# Altium PCB Arduino_UNO_Rev3_PCB.PcbDoc
Units mm, origin at the board's own origin, x right, y up, seen from the top; angles counter-clockwise.
Board outline 68.58 x 53.34 mm, 2 copper layers (L1, L2), stack 1.671 mm thick; 106 components, 71 nets, 323 pads, 96 vias.
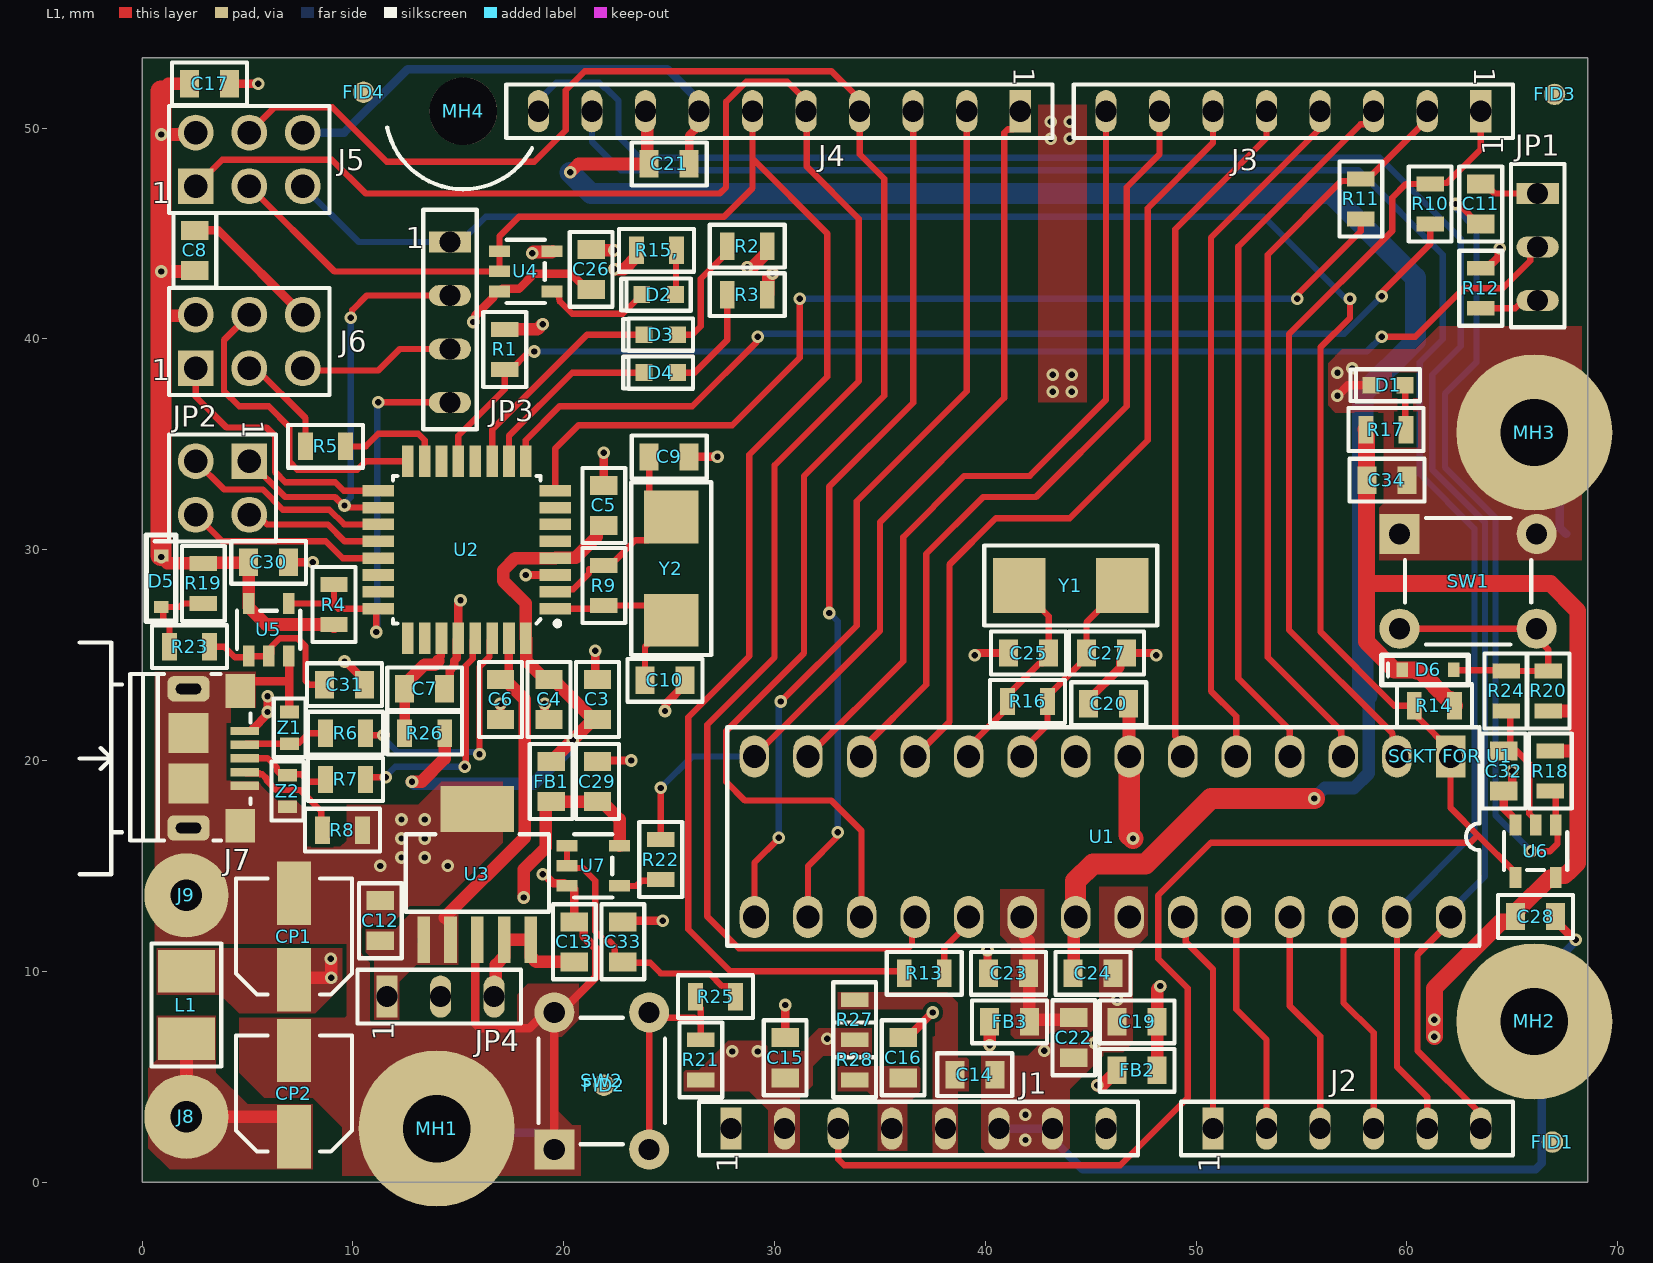
[diagram p0: L1 view]
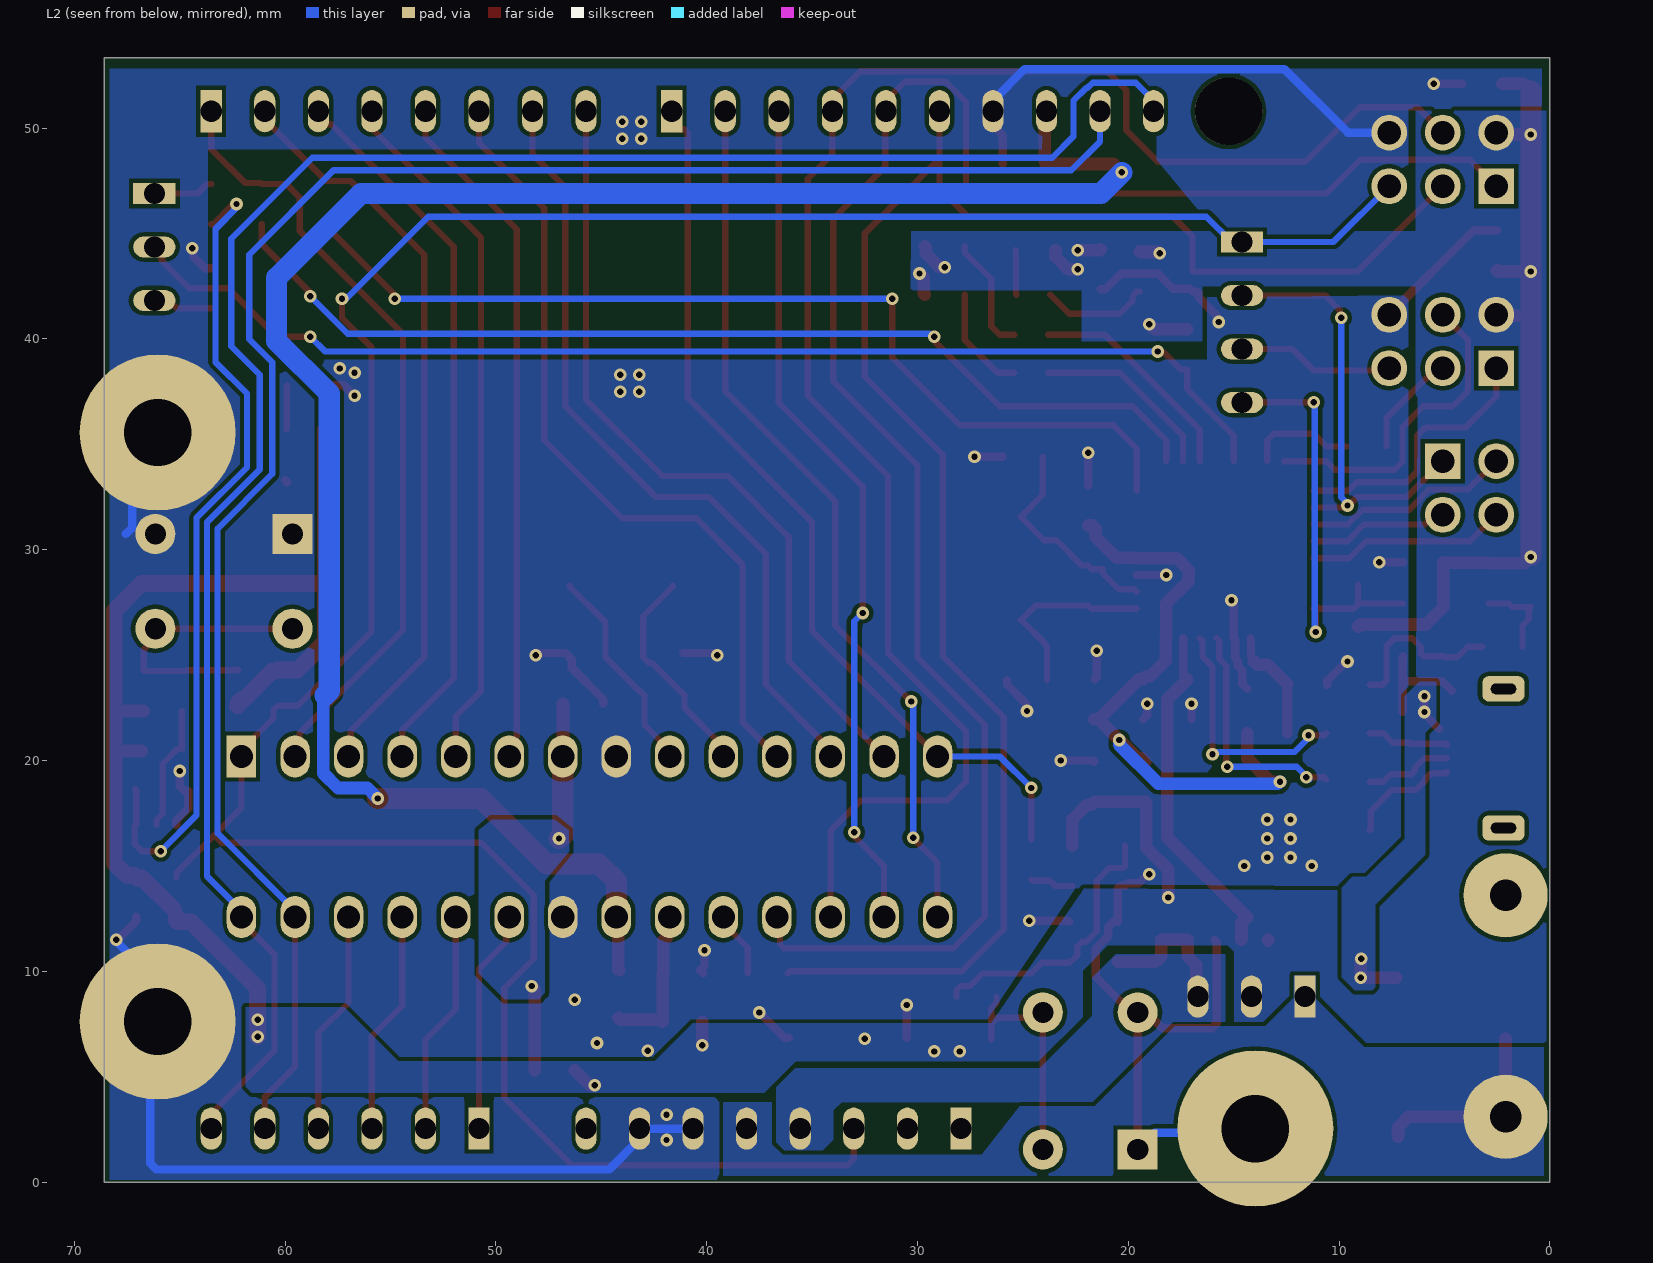
[diagram p1: L2 view, seen from below]

## Layer stack, top to bottom
Top Solder: solder mask 0.0102, Solder Resist, Dk 3.5
L1: signal copper 0.0356
Dielectric 1: dielectric 1.6, FR-4, Dk 4.8
L2: signal copper 0.0356
Bottom Solder: solder mask 0.0102, Solder Resist, Dk 3.5

## Board outline
0,0 68.58,0 68.58,53.34 0,53.34

## Design rules (kind name [scope] priority, off if disabled: settings)
Clearance poly [IsRegion] p1: gap=0.2 ignorepadtopadclearanceinfootprint=FALSE
Clearance [All] p2: gap=0.2 ignorepadtopadclearanceinfootprint=FALSE
ComponentClearance "SW2 to FID1" [InComponent('FID2') vs InComponent('SW2')] p1: gap=0 collisioncheckmode=3 verticalgap=0 showdistances=FALSE
ComponentClearance PowerRessistors [InComponent('R27') vs InComponent('R28')] p2: gap=0 collisioncheckmode=3 verticalgap=0 showdistances=FALSE
ComponentClearance "MH4 to FID4 and J4" [InComponent('MH4') vs InComponent('FID4')or InComponent('J4')] p3: gap=0 collisioncheckmode=3 verticalgap=0 showdistances=FALSE
ComponentClearance "DIP SOCKET to MH2 and U1" [InComponent('SCKT FOR U1') vs InComponent('MH2') or InComponent('U1')] p4: gap=0 collisioncheckmode=3 verticalgap=0 showdistances=FALSE
ComponentClearance "MH2 to J2" [InComponent('MH2') vs InComponent('J2')] p5: gap=0 collisioncheckmode=3 verticalgap=0 showdistances=FALSE
ComponentClearance [All] p6: gap=0.2 collisioncheckmode=3 verticalgap=0.2 showdistances=FALSE
HoleSize [All] p1: absolutevalues=TRUE maxlimit=10 minlimit=0.2 maxpercent=80.000 minpercent=20.000
HoleToHoleClearance [All] p1: gap=0.3 allowstackedmicrovias=TRUE
MinimumSolderMaskSliver [All] p1: minsoldermaskwidth=0.1
PolygonConnect [All] p1: connectstyle=Direct reliefconductorwidth=0.254 reliefentries=4 polygonreliefangle="90 Angle" airgapwidth=0.254
RoutingVias [All] p1: holewidth=0.3 width=0.6 viastyle="Through Hole" minholewidth=0.3 minwidth=0.6 maxholewidth=0.3 maxwidth=0.6
SilkToSilkClearance [All] p1: silktosilkclearance=0.1
SilkToSolderMaskClearance [IsPad] p1: minsilkscreentomaskgap=0.1 clearancetoexposedcopper=TRUE
SolderMaskExpansion [All] p1: expansion=0.1 istentingtop=FALSE
Width WidthPWR [InNet('+3V3')   or InNet('GND')or InNet('+3V3_16U2_UCAP')or InNet('+5V')or InNet('+5V/3V3') or InNet('+5V/3V3_16U2')or InNet('+5V/3V3_328P_AVCC')or InNet('+5V/3V3_328P_VCC')or InNet('+5V_USB') or InNet('+AREF')] p1: maxlimit=4 minlimit=0.4 preferedwidth=0.4
Width Width_1 [All] p2: maxlimit=0.3 minlimit=0.3 preferedwidth=0.3
24 further rules are at their usual default settings.

## Components (designator, comment, footprint, x,y, rotation, side; value= is the part's Value field where it differs from the comment)
C3 "10UF" "C_0805 - DUPLICATE" 21.6,22.9 r270 top
C4 "100n" C_0805 19.3,22.9 r90 top
C5 "100n" C_0805 21.9,32.1 r270 top
C6 "100n" C_0805 17,22.9 r270 top
C7 "1uF" "C_0805 - DUPLICATE" 13.4,23.4 r180 top
C8 "100n" C_0805 2.5,44.2 r270 top
C9 "18p" C_0805 25,34.4 r180 top
C10 "18p" C_0805 24.8,23.8 r180 top
C11 "100n" C_0805 63.5,46.4 r90 top
C12 "10UF" "C_0805 - DUPLICATE" 11.3,12.4 r270 top
C13 "10UF" "C_0805 - DUPLICATE" 20.5,11.4 r270 top
C14 "100n" C_0805 39.5,5.1 r180 top
C15 "100n" C_0805 30.5,5.9 r270 top
C16 "100n" C_0805 36.1,5.9 r270 top
C17 "100n" C_0805 3.2,52.1 r180 top
C19 "10UF" "C_0805 - DUPLICATE" 47.2,7.6 r0 top
C20 "100n" C_0805 45.85,22.7 r0 top
C21 "10UF" "C_0805 - DUPLICATE" 25,48.3 r180 top
C22 "10UF" "C_0805 - DUPLICATE" 44.2,6.85 r90 top
C23 "100n" C_0805 41.1,9.9 r0 top
C24 "100n" C_0805 45.1,9.9 r180 top
C25 "18p" C_0805 42.05,25.1 r0 top
C26 "100n" C_0805 21.3,43.3 r90 top
C27 "18p" C_0805 45.75,25.1 r180 top
C28 "100n" C_0805 66.1,12.6 r180 top
C29 "100n" C_0805 21.6,19 r270 top
C30 "100n" C_0805 6,29.4 r180 top
C31 "100n" C_0805 9.6,23.6 r180 top
C32 "100n" C_0805 64.6,19.5 r90 top
C33 "100n" C_0805 22.8,11.4 r270 top
C34 "10UF" "C_0805 - DUPLICATE" 59.05,33.3 r180 top
CP1 "100uF /10V" C_ALU_C_SIZE 7.2,11.65 r90 top
CP2 "100uF /10V" C_ALU_C_SIZE 7.2,4.2 r90 top
D1 "LED GREEN" LED_0603 59.1,37.8 r0 top
D2 "LED ORANGE" LED_0603 24.5,42.1 r0 top
D3 "LED ORANGE" LED_0603 24.6,40.2 r0 top
D4 "LED ORANGE" LED_0603 24.6,38.4 r0 top
D5 "BAT54" SOD323 0.9,28.5 r270 top
D6 "BAT54" SOD323 61,24.3 r0 top
FB1 "445-2206-1-ND" C_0805 19.4,19 r90 top
FB2 "445-2206-1-ND" C_0805 47.2,5.3 r0 top
FB3 "445-2206-1-ND" C_0805 41.15,7.6 r0 top
FID1 "FID_1MMC" FID_40X120D 66.9,1.9 r90 top
FID2 "FID_1MMC" FID_40X120D 21.9,4.6 r180 top
FID3 "FID_1MMC" FID_40X120D 67,51.6 r180 top
FID4 "FID_1MMC" FID_40X120D 10.5,51.7 r180 top
J1 "HDR_Female_1x8_2.54mm" HDR_FEMALE_1X8_2.54MM 27.94,2.54 r90 top locked
J2 "HDR_Female_1x6_2.54mm" HDR_FEMALE_1X6_2.54MM 50.8,2.54 r90 top locked
J3 "HDR_Female_1x8_2.54mm" HDR_FEMALE_1X8_2.54MM 63.5,50.8 r270 top locked
J4 "HDR_Female_1x10_2.54mm" HDR_FEMALE_1X10_2.54MM 41.656,50.8 r270 top locked
J5 "HDR_Male_2x3_2.54mm" HDR_2X3_2.54MM 2.54,47.244 r90 top
J6 "HDR_Male_2x3_2.54mm" HDR_2X3_2.54MM 2.54,38.608 r90 top locked
J7 "10118193-0001LF" 10118193 3.537,20.1 r270 top locked
J8 "4mm X 1.5mm" PAD_WITH_HOLE_4MMX1.5MM 2.1,3.1 r0 top
J9 "4mm X 1.5mm" PAD_WITH_HOLE_4MMX1.5MM 2.1,13.6 r0 top
JP1 "HDR_Male_1x3_2.54mm" HDR_MALE_1X3_2.54MM 66.2,46.9 r0 top locked
JP2 "HDR_Male_2x2_2.54mm" HDR_2X2_2.54MM 5.08,34.2 r270 top locked
JP3 "HDR_Male_1x4_2.54mm" HDR_MALE_1X4_2.54MM 14.6,44.6 r0 top locked
JP4 "HDR_Male_1x3_2.54mm" HDR_MALE_1X3_2.54MM 11.62,8.8 r90 top locked
L1 "2u2/2A" C1210_IND 2.1,8.4 r270 top
MH1 "MH_7.4MMC_3.2MMD" MH_7.4MMC_3.2MMD 13.97,2.54 r0 top locked
MH2 "MH_7.4MMC_3.2MMD" MH_7.4MMC_3.2MMD 66.04,7.62 r0 top locked
MH3 "MH_7.4MMC_3.2MMD" MH_7.4MMC_3.2MMD 66.04,35.56 r0 top locked
MH4 "MH_7.4MMC_3.2MMD_ non_plated" "MH_7.4MMC_3.2MMD_ NO_COPPER_NON_PLATED" 15.24,50.8 r0 top locked
R1 "100k Ohm" R_0805 17.2,39.5 r90 top
R2 "560R" R_0805 28.7,44.4 r0 top
R3 "560R" R_0805 28.7,42.1 r0 top
R4 "10k Ohm" R_0805 9.1,27.4 r270 top
R5 "22R" R_0805 8.7,34.9 r180 top
R6 "22R" R_0805 9.65,21.3 r0 top
R7 "22R" R_0805 9.65,19.1 r0 top
R8 "0 Ohm" R_0805 9.5,16.7 r0 top
R9 "1M Ohm" R_0805 21.9,28.3 r90 top
R10 "1k Ohm" R_0805 61.1,46.4 r90 top
R11 "1k Ohm" R_0805 57.813,46.638 r90 top
R12 "1k Ohm" R_0805 63.5,42.4 r270 top
R13 "22R" R_0805 37.1,9.9 r180 top
R14 "10k Ohm" R_0805 61.3,22.6 r0 top
R15, "560R" R_0805 24.4,44.2 r180 top
R16 "1M Ohm" R_0805 42,22.8 r180 top
R17 "560R" R_0805 59,35.7 r180 top
R18 "10k Ohm" R_0805 66.8,19.5 r90 top
R19 "10k Ohm" R_0805 2.9,28.4 r90 top
R20 "10k Ohm" R_0805 66.7,23.3 r270 top
R21 "10k Ohm" R_0805 26.5,5.8 r270 top
R22 "560R" R_0805 24.6,15.3 r90 top
R23 "22R" R_0805 2.25,25.4 r0 top
R24 "22R" R_0805 64.7,23.3 r270 top
R25 "22R" R_0805 27.2,8.8 r0 top
R26 "0 Ohm" R_0805 13.4,21.3 r0 top
R27 "0 Ohm" R_0805 33.8,7.7 r270 top
R28 "0 Ohm" R_0805 33.8,5.8 r270 top
"SCKT FOR U1" "28_DIP_Socket" 28_DIP_7.62MM_SOCKET 62.065,20.193 r270 top locked
SW1 "Push Button" 1825910-6 62.9,28.5 r90 top
SW2 "Push Button" 1825910-6 21.8,4.8 r180 top
U1 "ATMEGA328P-PU" MY_DIP28 62.065,20.193 r270 top locked
U2 "ATMEGA16U2-AU-ND" MY_TQFP32 15.4,30 r180 top locked
U3 "TL1963A-33DCQR" "DCQ (R-PDSO-G6)" 15.9,14.6 r90 top
U4 "296-29202-1-ND" DBV_SOT_23_5 18.2,43.2 r0 top
U5 "296-29202-1-ND" DBV_SOT_23_5 6,26.2 r90 top
U6 "296-29202-1-ND" DBV_SOT_23_5 66.1,15.7 r270 top
U7 "296-29202-1-ND" DBV_SOT_23_5 21.4,15 r0 top
Y1 "ABM7-16.000MHZ-D2Y-T" ABM7_V1_1_BIG 44.05,28.3 r180 top
Y2 "ABM7-16.000MHZ-D2Y-T" ABM7_V1_1_BIG 25.1,29.1 r270 top
Z1 "CG0603MLC-05E" R_0603 7,21.55 r270 top
Z2 "CG0603MLC-05E" R_0603 6.9,18.55 r90 top

## Footprints (in the part's own frame and the unit in brackets; to place one, negate y for a bottom-side part, rotate by r counter-clockwise, add the part's x,y. Pads: shape width x height; smd on the part's side, far side on the other; paste and mask are expansions set on the pad)
28_DIP_7.62MM_SOCKET [mm]
  body extent -1.24,-34.26 8.86,1.24, height 4.2
1825910-6 [mm]
  rect 1.9x1.9 hole 1: 1(2.25,3.25)
  round 1.9 hole 1: 2(2.25,-3.25) 3(-2.25,3.25) 4(-2.25,-3.25)
  silkscreen extent -3,-3 3,3, body extent -3,-3.9 3,3.9, height 5
10118193 [mm]
  rect 0.4x1.35 smd mask+0.05: 1(-1.3,1.338) 2(-0.65,1.338) 3(0,1.338) 4(0.65,1.338) 5(1.3,1.338)
  rect 1.6x1.4 smd: 6(-3.2,1.112)
  rect 1.6x1.4 smd mask+0.05: 7(3.2,1.112)
  rrect50% 1.2x2 hole 0.5 slot 1.2 at 90 deg: 8(-3.3,-1.338) 9(3.3,-1.338)
  rect 1.9x1.9 smd: 10(-1.2,-1.338) 11(1.2,-1.338)
  silkscreen extent -5.5,-6.5 5.5,1.6, body extent -3.93,-4.07 3.93,1.59, height 2.81
ABM7_V1_1_BIG [mm]
  rect 2.5x2.6 smd: 1(-2.45,0) 2(2.45,0)
  silkscreen extent -4.1,-1.9 4.1,1.9, body extent -3,-1.75 3,1.75, height 1.41
C1210_IND [mm]
  rect 2x2.7 smd: 1(-1.6,0) 2(1.6,0)
  silkscreen extent -2.92,-1.65 2.92,1.65, body extent -1.6,-1.25 1.7,1.25, height 2.7
C_0805 [mm]
  rect 0.9x1.3 smd: 1(-0.95,0) 2(0.95,0)
  silkscreen extent -1.78,-1.02 1.78,1.02, body extent -1,-0.6 1,0.6, height 0.89
"C_0805 - DUPLICATE" [mm]
  rect 0.9x1.3 smd: 1(-0.95,0) 2(0.95,0)
  silkscreen extent -1.78,-1.02 1.78,1.02, body extent -1,-0.6 1,0.6, height 1.39
C_ALU_C_SIZE [mm]
  rect 3x1.6 smd: 1(-2.05,0) 2(2.05,0)
  silkscreen extent -2.75,-2.75 2.75,2.75, body extent -2.95,-2.65 2.95,2.65, height 5.41
DBV_SOT_23_5 [mm]
  rect 1x0.55 smd: 1(-1.25,0.95) 2(-1.25,0) 3(-1.25,-0.95) 4(1.25,-0.95) 5(1.25,0.95)
  silkscreen extent -0.9,-1.5 0.9,1.5, body extent -1.51,-1.52 1.51,1.52, height 1.6
"DCQ (R-PDSO-G6)" [mm]
  rect 2.2x0.6 smd: 1(-3.1,2.54) 2(-3.1,1.27) 3(-3.1,0) 4(-3.1,-1.27) 5(-3.1,-2.54)
  rect 2.2x3.5 smd: 6(3.1,0)
  silkscreen extent -1.78,-3.4 1.9,3.4, body extent -3.63,-3.27 3.63,3.28, height 1.8
FID_40X120D [mil]
  round 40 smd paste-40 mask+40: 1(0,0)
HDR_2X2_2.54MM [mm]
  rect 1.7x1.7 hole 1.1: 1(0,0)
  round 1.7 hole 1.1: 2(2.54,0) 3(0,-2.54) 4(2.54,-2.54)
  silkscreen extent -1.27,-3.81 3.81,1.27, body extent -1.27,-3.81 3.81,1.19, height 8.01
HDR_2X3_2.54MM [mm]
  rect 1.7x1.7 hole 1.1: 1(0,0)
  round 1.7 hole 1.1: 2(2.54,0) 3(0,-2.54) 4(2.54,-2.54) 5(0,-5.08) 6(2.54,-5.08)
  silkscreen extent -1.27,-6.35 3.81,1.27, body extent -1.23,-6.35 3.77,1.27, height 8.01
HDR_FEMALE_1X6_2.54MM [mm]
  rect 2x1 hole 1: 1(0,0)
  oval 2x1 hole 1: 2(0,-2.54) 3(0,-5.08) 4(0,-7.62) 5(0,-10.16) 6(0,-12.7)
  silkscreen extent -1.27,-14.22 1.27,1.52, body extent -1.25,-14.17 1.25,1.47, height 8.51
HDR_FEMALE_1X8_2.54MM [mm]
  rect 2x1 hole 1: 1(0,0)
  oval 2x1 hole 1: 2(0,-2.54) 3(0,-5.08) 4(0,-7.62) 5(0,-10.16) 6(0,-12.7) 7(0,-15.24) 8(0,-17.78)
  silkscreen extent -1.27,-19.3 1.27,1.52, body extent -1.25,-19.25 1.25,1.47, height 8.51
HDR_FEMALE_1X10_2.54MM [mm]
  rect 2x1 hole 1: 1(0,0)
  oval 2x1 hole 1: 2(0,-2.54) 3(0,-5.08) 4(0,-7.62) 5(0,-10.16) 6(0,-12.7) 7(0,-15.24) 8(0,-17.78) 9(0,-20.32) 10(0,-22.86)
  silkscreen extent -1.27,-24.38 1.27,1.52, body extent -1.25,-24.33 1.25,1.47, height 8.51
HDR_MALE_1X3_2.54MM [mm]
  rect 2x1 hole 1: 1(0,0)
  oval 2x1 hole 1: 2(0,-2.54) 3(0,-5.08)
  silkscreen extent -1.27,-6.35 1.27,1.4, body extent -1.46,-6.37 1.46,1.25, height 8.52
HDR_MALE_1X4_2.54MM [mm]
  rect 2x1 hole 1: 1(0,0)
  oval 2x1 hole 1: 2(0,-2.54) 3(0,-5.08) 4(0,-7.62)
  silkscreen extent -1.27,-8.9 1.27,1.52, body extent -1.21,-8.72 1.2,1.04, height 8.39
LED_0603 [mm]
  rect 0.8x0.8 smd: 1(-0.8,0) 2(0.8,0)
  silkscreen extent -1.78,-0.76 1.52,0.76, body extent -0.85,-0.4 0.85,0.4, height 0.65
MH_7.4MMC_3.2MMD [mm]
  round 7.4 hole 3.2: 1(0,0)
"MH_7.4MMC_3.2MMD_ NO_COPPER_NON_PLATED" [mm]
  round 3.2 hole 3.2 unplated: 1(0,0)
  silkscreen extent -3.62,-3.7 3.26,-0.78
MY_DIP28 [mm]
  rect 2x1.4 / inner rect 2x1.6 / far side rect 2x1.4 hole 1.1: 1(0,0)
  oval 2x1.4 / inner oval 2x1.6 / far side oval 2x1.4 hole 1.1: 2(0,-2.54) 3(0,-5.08) 4(0,-7.62) 5(0,-10.16) 6(0,-12.7) 7(0,-15.24) 8(0,-17.78) 9(0,-20.32) 10(0,-22.86) 11(0,-25.4) 12(0,-27.94) 13(0,-30.48) 14(0,-33.02) 15(7.62,-33.02) 16(7.62,-30.48) 17(7.62,-27.94) 18(7.62,-25.4) 19(7.62,-22.86) 20(7.62,-20.32) 21(7.62,-17.78) 22(7.62,-15.24) 23(7.62,-12.7) 24(7.62,-10.16) 25(7.62,-7.62) 26(7.62,-5.08) 27(7.62,-2.54) 28(7.62,0)
  silkscreen extent -1.39,-34.31 8.98,1.37, body extent -0.13,-34.46 7.75,1.48, height 7.55
MY_TQFP32 [mm]
  rect 1.5x0.55 smd mask+0.06: 1(-4.2,2.8) 2(-4.2,2) 3(-4.2,1.2) 4(-4.2,0.4) 5(-4.2,-0.4) 6(-4.2,-1.2) 7(-4.2,-2) 8(-4.2,-2.8) 17(4.2,-2.8) 18(4.2,-2) 19(4.2,-1.2) 20(4.2,-0.4) 21(4.2,0.4) 22(4.2,1.2) 23(4.2,2) 24(4.2,2.8)
  rect 0.55x1.5 smd mask+0.06: 9(-2.8,-4.2) 10(-2,-4.2) 11(-1.2,-4.2) 12(-0.4,-4.2) 13(0.4,-4.2) 14(1.2,-4.2) 15(2,-4.2) 16(2.8,-4.2) 25(2.8,4.2) 26(2,4.2) 27(1.2,4.2) 28(0.4,4.2) 29(-0.4,4.2) 30(-1.2,4.2) 31(-2,4.2) 32(-2.8,4.2)
  silkscreen extent -4.4,-3.5 3.5,3.6, body extent -4.6,-4.6 4.6,4.6, height 1.2
PAD_WITH_HOLE_4MMX1.5MM [mm]
  round 4 hole 1.5: 1(0,0)
R_0603 [mm]
  rect 0.6x0.9 smd: 1(-0.75,0) 2(0.75,0)
  silkscreen extent -1.4,-0.76 1.4,0.76, body extent -0.8,-0.4 0.8,0.4, height 0.85
R_0805 [mm]
  rect 0.7x1.3 smd: 1(-0.95,0) 2(0.95,0)
  silkscreen extent -1.78,-1.02 1.78,1.02, body extent -1,-0.6 1,0.6, height 0.61
SOD323 [mil]
  rect 22x27 smd: 1(-48,0) 2(48,0)
  silkscreen extent -87,-28 75,28, body extent -49,-24 49,26, height 39

## Part data
C3 C12 C13 C19 C21 C22 C34: library part C2012X5R1C106M125AC, "CERAMIC CAPACITOR, 10UF, 16V, X5R, 20%, 0805, FULL REEL; Product Range:C Series; Capacitance:10 F; Capacitance Tolerance: 20%; Dielectric Characteristic:X5R; Voltage Rating:16V; Ceramic Capacitor Case:0805 [2012 Metric]; MSL:- ;RoHS Compliant: Yes", Capacitance=10uF, Case Code (Imperial)=0805, Case Code (Metric)=2012, Dielectric=X5R, Dielectric Material=Ceramic, Manufacturer=TDK, Max Operating Temperature=85°C, Min Operating Temperature=-55°C, Package Quantity=1, Supplier Part Number 1=2525134, Tolerance=20%, Voltage Rating=16V, Case/Package=0805, Category="Ceramic Capacitors", ComponentLink1Description=https://datasheet.ciiva.com/6289/tdkmlcccaprange-6289238.pdf?src-supplier=Digi-Key, ComponentLink1URL=https://datasheet.ciiva.com/6289/tdkmlcccaprange-6289238.pdf?src-supplier=Digi-Key, ComponentLink2Description=https://datasheet.ciiva.com/22725/1913358-22725558.pdf?src-supplier=Element14, ComponentLink2URL=https://datasheet.ciiva.com/22725/1913358-22725558.pdf?src-supplier=Element14, ComponentLink3Description=https://datasheet.ciiva.com/6252/tdkmlcccaprange-6252105.pdf?src-supplier=Digi-Key, ComponentLink3URL=https://datasheet.ciiva.com/6252/tdkmlcccaprange-6252105.pdf?src-supplier=Digi-Key, ComponentLink4Description=https://datasheet.ciiva.com/6252/tdkmlcccaprange-6252108.pdf?src-supplier=Digi-Key, ComponentLink4URL=https://datasheet.ciiva.com/6252/tdkmlcccaprange-6252108.pdf?src-supplier=Digi-Key, ComponentLink5Description=https://datasheet.ciiva.com/23803/1796654-23803022.pdf?src-supplier=Newark, ComponentLink5URL=https://datasheet.ciiva.com/23803/1796654-23803022.pdf?src-supplier=Newark, Depth=1.25mm, Height=1.25mm, Lead Free="Lead Free", Length=0.079inch, Manufacturer Part Number=C2012X5R1C106M125AC, Mount="Surface Mount", Number of Pins=2, Packaging="Tape and Reel", Pricing 1="5=0,27200, 50=0,09480, 250=0,08030, 500=0,07090, 1000=0,06220, 2000=0,04880, 10000=0,04830, 20000=0,04180 (GBP)", REACH SVHC="No SVHC", Resistor Type=Ceramic, RoHS=Yes, RoHS Compliant=Yes, Series=C, Supplier 1=Farnell, Termination=SMD/SMT, Thickness=0.057inch, Voltage Rating (DC)=16V, Weight=0.000194oz, Width=0.049inch
C4 C5 C6 C8 C11 C14 C15 C16 C17 C20 C23 C24 C26 C28 C29 C30 C31 C32 C33: library part C2012X7R1H104K085AA, "TDK - C2012X7R1H104K085AA - SMD Multilayer Ceramic Capacitor, 0.1 µF, 50 V, 0805 [2012 Metric], ± 10%, X7R, C Series", Capacitance=100nF, Case Code (Imperial)=0805, Case Code (Metric)=2012, Dielectric=X7R, Dielectric Material=Ceramic, Manufacturer=TDK, Max Operating Temperature=125°C, Min Operating Temperature=-55°C, Package Quantity=1, Supplier Part Number 1=445-7534-1-ND, Tolerance=10%, Voltage=50V, Case/Package=0805, Category="Ceramic Capacitors", ComponentLink1Description=https://datasheet.ciiva.com/11788/0900766b80c1bb00-11788128.pdf?src-supplier=RSComponents, ComponentLink1URL=https://datasheet.ciiva.com/11788/0900766b80c1bb00-11788128.pdf?src-supplier=RSComponents, ComponentLink2Description=https://datasheet.ciiva.com/6250/tdkmlcccaprange-6250821.pdf?src-supplier=Digi-Key, ComponentLink2URL=https://datasheet.ciiva.com/6250/tdkmlcccaprange-6250821.pdf?src-supplier=Digi-Key, ComponentLink3Description=https://datasheet.ciiva.com/24191/e412-c-24191447.pdf?src-supplier=Future+Electronics, ComponentLink3URL=https://datasheet.ciiva.com/24191/e412-c-24191447.pdf?src-supplier=Future+Electronics, ComponentLink4Description=https://datasheet.ciiva.com/6250/tdkmlcccaprange-6250824.pdf?src-supplier=Digi-Key, ComponentLink4URL=https://datasheet.ciiva.com/6250/tdkmlcccaprange-6250824.pdf?src-supplier=Digi-Key, ComponentLink5Description=https://datasheet.ciiva.com/23803/1796654-23803035.pdf?src-supplier=Newark, ComponentLink5URL=https://datasheet.ciiva.com/23803/1796654-23803035.pdf?src-supplier=Newark, ComponentLink6Description=https://datasheet.ciiva.com/28602/1571323-28602204.pdf?src-supplier=Element14, ComponentLink6URL=https://datasheet.ciiva.com/28602/1571323-28602204.pdf?src-supplier=Element14, Construction=Flat, Depth=1.25mm, Height=0.85mm, Lead Free="Lead Free", Length=2mm, Manufacturer Part Number=C2012X7R1H104K085AA, Mount="Surface Mount", Number of Pins=2, Packaging="Tape and Reel", Pricing 1="1=0,15000, 10=0,10900, 50=0,06160, 100=0,05100, 500=0,03578, 1000=0,02962 (USD)", Radiation Hardening=No, REACH SVHC="No SVHC", Resistor Type=Ceramic, RoHS=Yes, RoHS Compliant=Yes, Series=C, Stock 1=188439, Supplier 1=Digi-Key, Termination=SMD/SMT, Thickness=0.037inch, Voltage Rating=50V, Voltage Rating (DC)=50V, Weight=0.000194oz, Width=0.049inch
C7: library part C2012X5R1E105K125AA, "TDK - C2012X5R1E105K125AA - SMD Multilayer Ceramic Capacitor, 1 µF, 25 V, 0805 [2012 Metric], ± 10%, X5R, C Series", Case Code (Imperial)=0805, Case Code (Metric)=2012, Dielectric=X5R, Dielectric Material=Ceramic, Manufacturer=TDK, Max Operating Temperature=85°C, Min Operating Temperature=-55°C, Package Quantity=2000, Supplier Part Number 1=445-1419-1-ND, Tolerance=10%, Voltage=25V, Capacitance=1uF, Case/Package=0805, Category="Ceramic Capacitors", ComponentLink1Description=https://datasheet.ciiva.com/11787/0900766b80c1bb00-11787608.pdf?src-supplier=RSComponents, ComponentLink1URL=https://datasheet.ciiva.com/11787/0900766b80c1bb00-11787608.pdf?src-supplier=RSComponents, ComponentLink2Description=https://datasheet.ciiva.com/16449/e412-c-16449595.pdf?src-supplier=Future+Electronics, ComponentLink2URL=https://datasheet.ciiva.com/16449/e412-c-16449595.pdf?src-supplier=Future+Electronics, ComponentLink3Description=https://datasheet.ciiva.com/28602/1744655-28602171.pdf?src-supplier=Element14, ComponentLink3URL=https://datasheet.ciiva.com/28602/1744655-28602171.pdf?src-supplier=Element14, ComponentLink4Description=https://datasheet.ciiva.com/15192/getdatasheetpartid-726707-15192140.pdf?src-supplier=Verical, ComponentLink4URL=https://datasheet.ciiva.com/15192/getdatasheetpartid-726707-15192140.pdf?src-supplier=Verical, Construction=Flat, Depth=1.25mm, Height=1.25mm, Lead Free="Lead Free", Length=2mm, Manufacturer Part Number=C2012X5R1E105K125AA, Mount="Surface Mount", Number of Pins=2, Packaging="Tape and Reel", Pricing 1="1=0,24000, 10=0,16600, 50=0,09940, 100=0,08390, 500=0,05740, 1000=0,05078 (USD)", Radiation Hardening=No, REACH SVHC="No SVHC", Resistor Type=Ceramic, RoHS=Yes, RoHS Compliant=Yes, Series=C, Stock 1=94901, Supplier 1=Digi-Key, Termination=SMD/SMT, Thickness=0.057inch, Voltage Rating=25V, Voltage Rating (DC)=25V, Weight=0.000194oz, Width=0.049inch